# Altium PCB uStepper.PcbDoc (part 1 of 2) (continued)
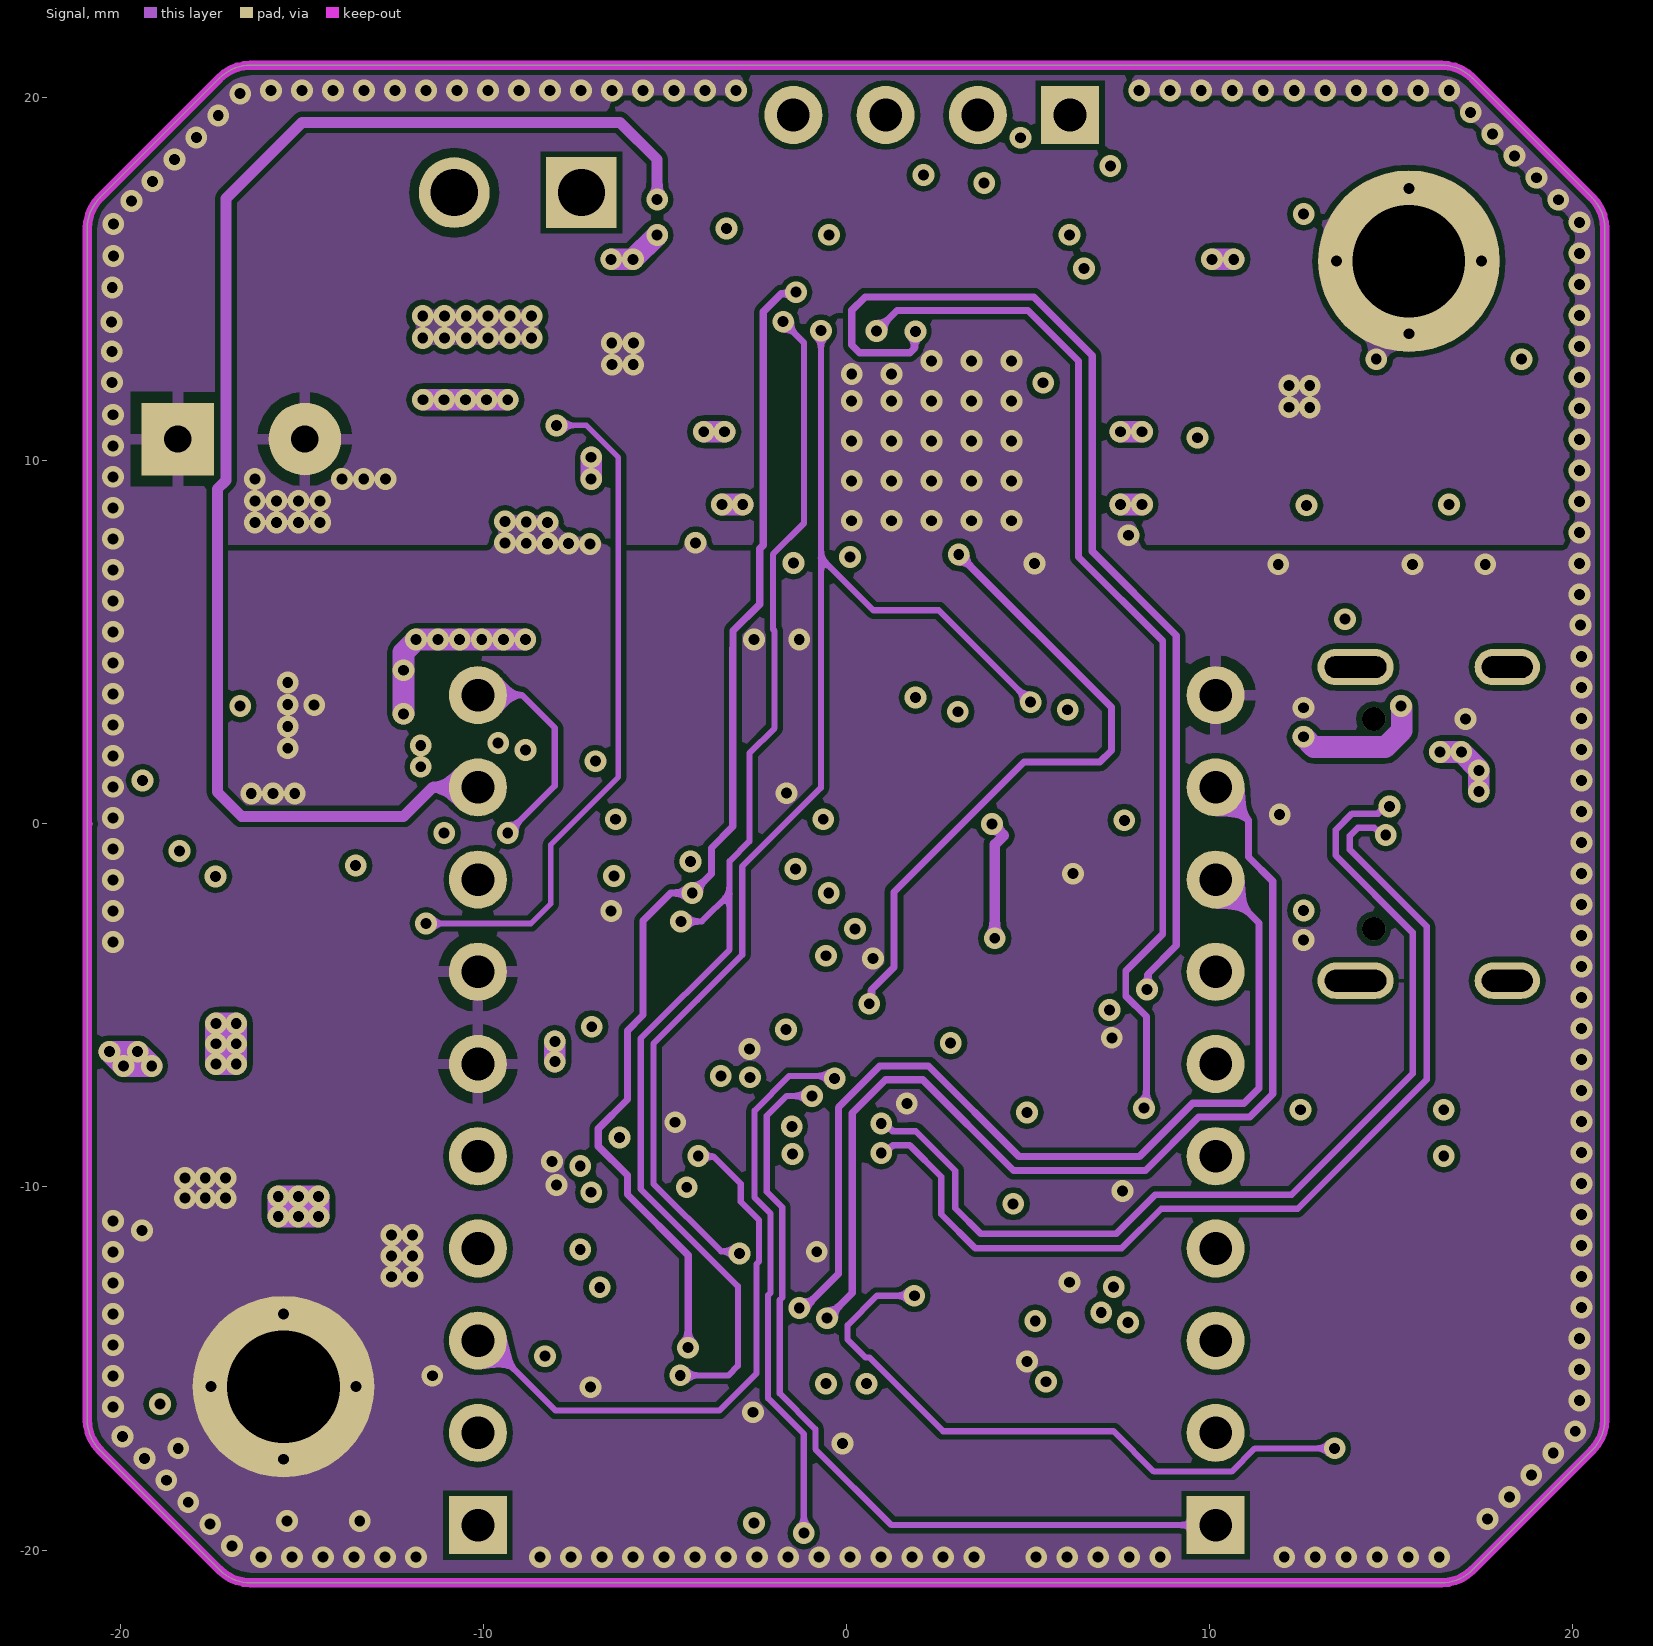
[diagram p4: Signal]
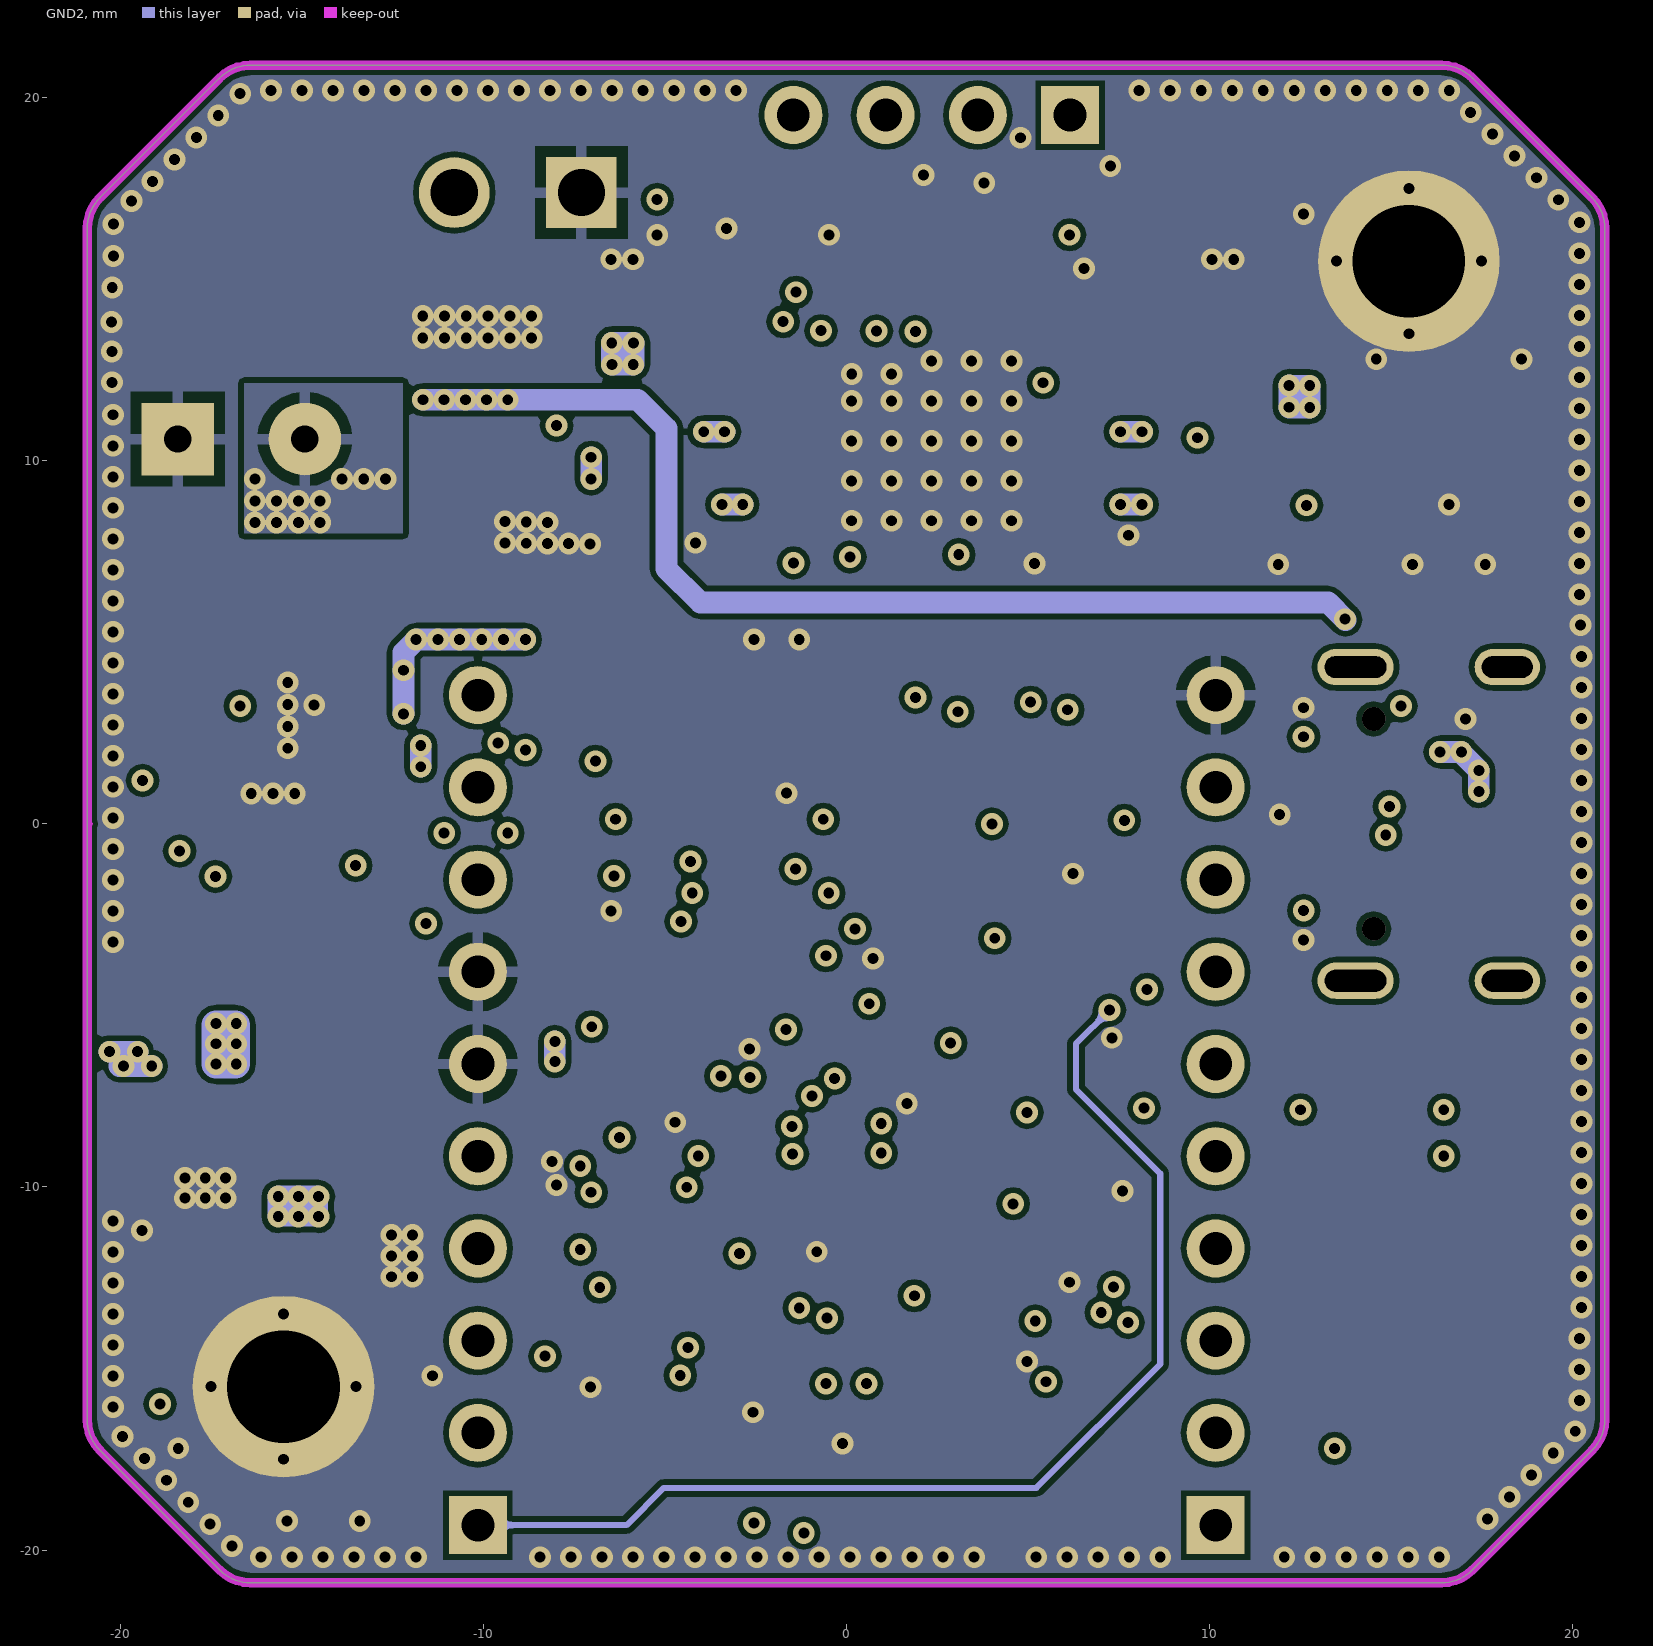
[diagram p5: GND2]

## Layer stack, top to bottom
Top Solder: solder mask 0.0102, Solder Resist, Dk 3.5
Top Layer: signal copper 0.035
Dielectric 1: prepreg 0.0994, 3113, Dk 4.05
GND: signal copper 0.018
Dielectric 2: core 0.55, FR-4 0.55mm, Dk 4.6
VCC: signal copper 0.018
Dielectric 3: prepreg 0.1088, 2116, Dk 4.25
Signal: signal copper 0.018
Dielectric 5: core 0.55, FR-4 0.55mm, Dk 4.6
GND2: signal copper 0.018
Dielectric 4: prepreg 0.0994, 3113, Dk 4.05
Bottom Layer: signal copper 0.035
Bottom Solder: solder mask 0.0102, Solder Resist, Dk 3.5

## Board outline
-20.558,-17.251 -17.255,-20.554 ccw(c-16.407,-19.696) -16.412,-20.903 16.399,-20.903 ccw(c16.393,-19.696) 17.242,-20.554 20.545,-17.251 ccw(c19.686,-16.403) 20.893,-16.403 20.893,16.397 ccw(c19.686,16.397) 20.54,17.251 17.247,20.544 ccw(c16.393,19.69) 16.393,20.897 -16.407,20.897 ccw(c-16.407,19.69) -17.26,20.544 -20.553,17.251 ccw(c-19.7,16.397) -20.907,16.397 -20.907,-16.403 ccw(c-19.7,-16.403)

## Design rules (kind name [scope] priority, off if disabled: settings)
AssemblyTestPointUsage SilkToBoardRegionClearance_1 [All] p2:
BoardOutlineClearance [All] p1: gap=0.25 ignorepadtopadclearanceinfootprint=FALSE
Clearance Clearance_Inner [(OnLayer('Top Layer') OR OnLayer('Bottom Layer'))] p1: gap=0.15 ignorepadtopadclearanceinfootprint=FALSE
Clearance [All] p2: gap=0.15 ignorepadtopadclearanceinfootprint=FALSE
ComponentClearance [All] p1: gap=-100 collisioncheckmode=3 verticalgap=0.254 showdistances=FALSE
DiffPairsRouting [All] p1: maxlimit=0.22 minlimit=0.153 mostfreqgap=0.21 toplayer_minwidth=0.153 toplayer_maxwidth=0.18 toplayer_prefwidth=0.16 midlayer1_minwidth=0.153 midlayer1_maxwidth=0.18 midlayer1_prefwidth=0.16 midlayer2_minwidth=0.153 midlayer2_maxwidth=0.18 midlayer2_prefwidth=0.16 midlayer3_minwidth=0.153 midlayer3_maxwidth=0.18 midlayer3_prefwidth=0.16 midlayer4_minwidth=0.153 midlayer4_maxwidth=0.18 midlayer4_prefwidth=0.16 bottomlayer_minwidth=0.153 bottomlayer_maxwidth=0.18 bottomlayer_prefwidth=0.16 maxuncoupledlength=12.7
HoleSize [All] p1: absolutevalues=TRUE maxlimit=6.35 minlimit=0.2 maxpercent=80.000 minpercent=20.000
MatchedLengths DiffPair_DIFF100MatchedLengths [InDifferentialPairClass('DIFF100')] p1: tolerance=0.152 checknetsindiffpair=TRUE checkdiffpairvsdiffpair=FALSE checkxsignals=FALSE checkothers=FALSE
MinimumAnnularRing MinimumAnnularRing_1 [All] p1: minimumring=0.125
MinimumSolderMaskSliver "SMT min Solder Mask Width" [All] p1 off: minsoldermaskwidth=0.13
PlaneClearance [All] p1: clearance=0.152
PlaneConnect C38Plane [InComponent('C38') AND ( InNet('GND') OR InNet('VIN'))] p1: planeconnectstyle=Relief reliefexpansion=0.5 reliefentries=4 reliefconductorwidth=0.3 reliefairgap=0.3
PlaneConnect "PL3 VIN PLANE" [InComponent('PL3') AND InNet('VIN')] p2: planeconnectstyle=NoConnect reliefexpansion=0.508 reliefentries=4 reliefconductorwidth=0.254 reliefairgap=0.254
PlaneConnect "PL3 GND PLANE" [(InComponent('PL3') OR InComponent('C25')) AND InNet('GND')] p3: planeconnectstyle=Relief reliefexpansion=0.508 reliefentries=4 reliefconductorwidth=0.3 reliefairgap=0.3
PlaneConnect Via [isVia] p4: planeconnectstyle=Direct reliefexpansion=0.508 reliefentries=4 reliefconductorwidth=0.254 reliefairgap=0.254
PlaneConnect [(InComponentClass('All Components'))] p5: planeconnectstyle=Relief reliefexpansion=0.508 reliefentries=4 reliefconductorwidth=0.3 reliefairgap=0.3
PlaneConnect "Corner pads" [All] p6: planeconnectstyle=Direct reliefexpansion=0.508 reliefentries=4 reliefconductorwidth=0.254 reliefairgap=0.254
PolygonConnect Direct_connect [((IsPad And InAnyComponent and not OnMultiLayer) OR InComponent('D1') OR InComponent('X1') OR InComponent('C14')OR InComponent('C13')OR InComponent('C17')OR InComponent('C18')OR InComponent('Y1') OR  InComponent('PL2') AND InNet('3V3'))] p1: connectstyle=Direct reliefconductorwidth=0.254 reliefentries=4 polygonreliefangle="90 Angle" airgapwidth=0.254
PolygonConnect C38 [InComponent('C38') AND ( InNet('GND') OR InNet('VIN') )] p2: connectstyle=Relief reliefconductorwidth=0.3 reliefentries=4 polygonreliefangle="90 Angle" airgapwidth=0.3
PolygonConnect "PL3 VIN" [InComponent('PL3') AND InNet('VIN') vs IsPolygon and OnTopLayer] p3: connectstyle=Relief reliefconductorwidth=0.5 reliefentries=4 polygonreliefangle="90 Angle" airgapwidth=0.3
PolygonConnect "PL3 VIN_1" [InComponent('PL3') AND InNet('VIN')] p4: connectstyle=NoConnect reliefconductorwidth=0.254 reliefentries=4 polygonreliefangle="90 Angle" airgapwidth=0.254
PolygonConnect "PL3 GND" [(InComponent('PL3') OR InComponent('R24') OR InComponent('R34')) AND InNet('GND')] p5: connectstyle=Relief reliefconductorwidth=0.3 reliefentries=4 polygonreliefangle="90 Angle" airgapwidth=0.3
PolygonConnect PL1PL2 [(InComponent('PL1') OR InComponent('PL2')) AND ( InNet('GND') OR InNet('VIN'))] p6: connectstyle=Relief reliefconductorwidth=0.3 reliefentries=4 polygonreliefangle="90 Angle" airgapwidth=0.3
PolygonConnect PolygonConnect_VIN [InNet('VIN') OR InNet('CB1') OR InNet('CB2') OR InNet('CA1') OR InNet('CA2')] p7: connectstyle=Direct reliefconductorwidth=1.75 reliefentries=4 polygonreliefangle="90 Angle" airgapwidth=0.35
PolygonConnect PolygonConnect_IC [(InComponent('U1') OR InComponent('U2') OR InComponent('U3') OR InComponent('U5'))] p8: connectstyle=Direct reliefconductorwidth=0.5 reliefentries=4 polygonreliefangle="90 Angle" airgapwidth=0.254
PolygonConnect PolygonConnect_Via [IsVia] p9: connectstyle=Direct reliefconductorwidth=0.254 reliefentries=4 polygonreliefangle="90 Angle" airgapwidth=0.254
PolygonConnect [(InComponentClass('All Components'))] p10: connectstyle=Relief reliefconductorwidth=0.3 reliefentries=4 polygonreliefangle="90 Angle" airgapwidth=0.3
PolygonConnect "GND corner pads" [All] p11: connectstyle=Direct reliefconductorwidth=0.254 reliefentries=4 polygonreliefangle="90 Angle" airgapwidth=0.254
RoutingVias [All] p1: holewidth=0.3 width=0.6 viastyle="Through Hole" minholewidth=0.3 minwidth=0.4 maxholewidth=5 maxwidth=10
SilkToBoardRegionClearance SilkToBoardRegionClearance_1_1 [All] p1:
SilkToBoardRegionClearance [All] p2:
SilkToSilkClearance [All] p1 off: silktosilkclearance=0.254
SilkToSolderMaskClearance SilkToSolderMaskClearance_1_1 [IsPad] p1: minsilkscreentomaskgap=0.178 clearancetoexposedcopper=TRUE
SolderMaskExpansion [All] p1: expansion=0.102 istentingtop=FALSE
Width [All] p1: maxlimit=2.54 minlimit=0.152 preferedwidth=0.2
21 further rules are at their usual default settings.

## Classes and differential pairs
component class U_Power: C19 C20 C21 C22 C23 C24 C25 C26 C27 C28 C29 C30 C31 C32 C33 C34 C35 C36 C37 C54 C55 C56 D8 L2 R13 R14 R15 R17 R18 R19 R20 R21 R22 R23 R24 R38 U3 U4
component class U_Main: D1 PL1 PL2 PL3 PL4
component class U_encoder: C1 R1 R2 R3 R4 U1
component class U_MCU+IO: C2 C3 C4 C5 C6 C7 C8 C9 C10 C11 C12 C13 C14 C15 C16 C17 C18 C53 C57 C58 D2 D3 D4 D5 D6 D7 F1 J1 L1 LD1 PL5 R5 R6 R7 R8 R9 R10 R11 R12 R16 R33 R34 R35 R36 R37 SW1 SW2 TP1 TP2 TP3 TP4 TP5 U2 U6 X1 Y1
component class U_Stepper_control: C38 C39 C40 C41 C42 C43 C44 C45 C46 C47 C48 C49 C50 C51 C52 D9 D10 D11 D12 L3 LD4 PL7 R25 R26 R27 R28 R29 R30 R31 R32 U5
differential pair D: +D_P -D_N
differential pair USB: +USB_P -USB_N

## Components (designator, comment, footprint, x,y, rotation, side; value= is the part's Value field where it differs from the comment)
C1 "100 nF 50 V" CAP_0402 -4.293,0 r90 bottom value=100nF
C2 "4.7uF 0603 35V" CAP_0603 -7.264,-7.518 r90 bottom
C3 "100 nF 50 V" CAP_0402 1.312,-3.456 r90 bottom value=100nF
C4 "100 nF 50 V" CAP_0402 -0.94,-16.053 r0 bottom value=100nF
C5 "100 nF 50 V" CAP_0402 0.502,-16.495 r90 bottom value=100nF
C6 "100 nF 50 V" CAP_0402 -5.664,-7.823 r180 bottom value=100nF
C7 "100 nF 50 V" CAP_0402 4.386,-7.412 r0 bottom value=100nF
C8 "100 nF 50 V" CAP_0402 -4.382,-15.981 r0 top value=100nF
C9 "1uF 0402 10V" CAP_0402 2.854,-11.045 r90 bottom value="1 uF"
C10 "100 nF 50 V" CAP_0402 4.019,-11.045 r90 bottom value=100nF
C11 "100 nF 50 V" CAP_0402 3.734,-13.614 r270 bottom value=100nF
C12 "4.7uF 0603 35V" CAP_0603 4.293,-2.007 r135 top
C13 "6.8pF 0402 25V" CAP_0402 7.849,-15.342 r135 top value=6.8pF
C14 "6.8pF 0402 25V" CAP_0402 4.82,-18.954 r315 top value=6.8pF
C15 "1uF 0402 10V" CAP_0402 0.435,-11.045 r90 bottom value="1 uF"
C16 "22nF 0402 16V 5%" CAP_0402 1.682,-11.045 r90 bottom value=22nF
C17 "4pF 0402" CAP_0402 1.168,-18.009 r45 top value=4pF
C18 "4pF 0402" CAP_0402 1.93,-18.745 r45 top value=4pF
C19 "100 nF 50 V" CAP_0402 -19.101,2.438 r90 bottom value=100nF
C20 "10uF 1206 50V" CAP_1206 -13.662,6.95 r0 bottom value=10uF
C21 "10uF 1206 50V" CAP_1206 -17.881,6.95 r180 bottom value=10uF
C22 "100 nF 50 V" CAP_0402 -15.843,5.5 r180 bottom value=100nF
C23 "1uF 0402 10V" CAP_0402 -17.374,-2.156 r90 bottom value="1 uF"
C24 "220pF 0402 50V" CAP_0402 -14.532,-3.759 r0 bottom value=220pF
C25 "100 nF 50 V" CAP_0402 -19.152,-0.94 r90 bottom value=100nF
C26 "4.7uF 0603 35V" CAP_0603 -12.929,1.016 r90 top
C27 "33nF 0402 50V" CAP_0402 -12.493,-0.975 r90 bottom value=33nF
C28 "100 nF 50 V" CAP_0402 -8.052,12.192 r270 top value=100nF
C29 "10uF 0603 16V" CAP_0603 -11.426,11.89 r270 top value=10uF
C30 "10uF 0603 16V" CAP_0603 -9.039,11.89 r270 top value=10uF
C31 "10uF 0603 16V" CAP_0603 -10.233,11.89 r270 top value=10uF
C32 "270pF 0402 50V" CAP_0402 -13.513,8.052 r90 top value=270pF
C33 "100 nF 50 V" CAP_0402 -12.04,-3.912 r90 top value=100nF
C34 "1.3nF 0402 50V" CAP_0402 -13.487,3.517 r90 top value=1.3nF
C35 "100 nF 50 V" CAP_0402 -18.745,-4.928 r270 top value=100nF
C36 "1uF 0402 10V" CAP_0402 -19.684,-4.889 r270 top value="1 uF"
C37 "4.7uF 0603 35V" CAP_0603 -13.03,-10.541 r180 bottom
C38 "180uF 50V" "Capacitor 8x22" -16.662,10.6 r180 top locked value=180uF
C39 "100 nF 50 V" CAP_0402 7.975,12.25 r270 bottom value=100nF
C40 "100 nF 50 V" CAP_0402 9.025,12.25 r90 bottom value=100nF
C41 "100 nF 50 V" CAP_0402 -3.125,12.25 r90 bottom value=100nF
C42 "10uF 1206 50V" CAP_1206 10.675,13.175 r90 bottom value=10uF
C43 "10uF 1206 50V" CAP_1206 -5.875,13.175 r90 bottom value=10uF
C44 "100 nF 50 V" CAP_0402 -0.325,4.9 r180 bottom value=100nF
C45 "22nF 0402 16V 5%" CAP_0402 6.515,14.35 r0 bottom value=22nF
C46 "100 nF 50 V" CAP_0402 5.925,13.325 r0 top value=100nF
C47 "1uF 0402 10V" CAP_0402 5.925,14.375 r180 top value="1 uF"
C48 "10uF 0402 6V3" CAP_0402 3.3,16.7 r270 bottom value=10uF
C49 "1uF 0402 10V" CAP_0402 4.35,16.7 r270 bottom value="1 uF"
C50 "100 nF 50 V" CAP_0402 2.1,16.7 r90 bottom value=100nF
C51 "100 nF 50 V" CAP_0402 -4.225,9.35 r270 bottom value=100nF
C52 "100 nF 50 V" CAP_0402 8.925,9.35 r270 bottom value=100nF
C53 "22nF 0402 16V 5%" CAP_0402 18.6,-0.838 r180 bottom value=22nF
C54 "10uF 0603 16V" CAP_0603 -9.039,11.89 r270 bottom value=10uF
C55 "10uF 0603 16V" CAP_0603 -10.233,11.89 r270 bottom value=10uF
C56 "10uF 0603 16V" CAP_0603 -11.426,11.89 r270 bottom value=10uF
C57 "1uF 0402 10V" CAP_0402 6.443,-16.471 r180 bottom value="1 uF"
C58 "1.3nF 0402 50V" CAP_0402 6.443,-15.29 r180 bottom value=1.3nF
D1 "SMAJ51A" DIOM4227X23N -14.986,17.069 r90 top
D2 "GREEN LED" "0402 LED" 18.64,-15.159 r0 top
D3 "V2P6-M3/H" MicroSMP 16.609,0.114 r270 bottom
D4 "TVS" RES_0402 13.208,0.711 r270 bottom
D5 "TVS" RES_0402 13.208,-0.965 r90 bottom
D6 "TVS" RES_0402 16.053,2.894 r180 bottom
D7 "TVS" RES_0402 18.593,-1.676 r180 bottom
D8 "GREEN LED" "0402 LED" -19.431,-15.521 r90 top
D9 "V2P6-M3/H" MicroSMP 10.55,8.8 r0 top
D10 "V2P6-M3/H" MicroSMP 8.85,11.65 r0 top
D11 "V2P6-M3/H" MicroSMP -5.825,8.8 r180 top
D12 "V2P6-M3/H" MicroSMP -5.825,10.775 r180 top
F1 "PTC 500mA Hold" "PTC Fuse 1206" 14.707,0.125 r90 bottom
J1 "USB4105-GF-A" FP-USB4105-GF-A-MFG 17.043,0 r90 top locked
L1 "180 Ohms @ 100MHz" IND_0603 -1.646,-10.511 r0 bottom value="180 Ohm"
L2 "10uH 2A" FP-NR5040-H_4_1-MFG -10.1,7.925 r90 top value="10 uH"
L3 "180 Ohms @ 100MHz" IND_0603 3.525,14.375 r0 top value="180 Ohm"
PL1 "2.54mm" "10-pin female 2.54mm" 10.175,-7.884 r90 top locked
PL2 "2.54mm" "10-pin female 2.54mm" -10.145,-7.884 r90 top locked
PL3 "EBWA-02-A" 691214110002 -9.046,17.088 r180 top locked
PL4 "EXPANSION" 20021121-00020T4LF-Footprint-1 0.003,3 r0 top
PL5 "JTAG" FP-62101021021-MFG 15.951,-10.414 r270 top locked
PL7 "2.54mm" "4-pin 2.54mm header" 2.355,19.525 r180 top
R1 "100R 0402" RES_0402 5.048,0.635 r180 bottom value=100R
R2 "0R 0402" RES_0402 -7.645,-13.386 r315 top value=0R
R3 "560R 0402" RES_0402 4.597,-1.907 r90 bottom value=560R
R4 "100R 0402" RES_0402 5.048,-0.635 r180 bottom value=100R
R5 "10k 0402" RES_0402 -7.303,-15.981 r180 top value=10k
R6 "47k 0402" RES_0402 18.64,-15.991 r0 top value=47k
R7 "4k7 0402" RES_0402 -0.076,-1.219 r0 top value=4k7
R8 "4k7 0402" RES_0402 8.255,0.711 r270 top value=4k7
R9 "4k7 0402" RES_0402 8.255,-1.245 r90 top value=4k7
R10 "10k 0402" RES_0402 5.512,-1.575 r135 top value=10k
R11 "4k7 0402" RES_0402 5.498,-1.905 r270 bottom value=4k7
R12 "10R 0402" RES_0402 -3.932,-10.511 r0 bottom value=10R
R13 "3R3 0402" RES_0402 -19.101,4.089 r90 bottom value=3R3
R14 "340k 0402" RES_0402 -12.898,-3.759 r180 bottom value=340k
R15 "28k 0402" RES_0402 -15.85,-2.159 r270 bottom value=28K
R16 "10k 0402" RES_0402 -0.693,-14.498 r180 bottom value=10k
R17 "562k 0402" RES_0402 -19.406,2.362 r90 top value=562k
R18 "200k 0402" RES_0402 -19.431,-0.686 r90 top value=200k
R19 "18k7 0603 1%" RES_0603 -13.335,5.74 r90 top value=18k7
R20 "52k3 0603" RES_0603 -12.954,-2.743 r0 bottom value=52.6k
R21 "274k 0402" RES_0402 -16.586,-2.159 r90 bottom value=274k
R22 "301k 0402" RES_0402 -18.161,-2.159 r90 bottom value=301kOhm
R23 "10k 0402" RES_0402 -14.681,-2.007 r90 bottom value=10k
R24 "100k 0402" RES_0402 -19.431,-13.753 r270 top value=100k
R25 "10R 0402" RES_0402 3.525,15.575 r0 top value=10R
R26 "10R 0402" RES_0402 5.35,16.7 r90 bottom value=10R
R27 "CSR1206FTR100" RES_1206 10.675,8.625 r90 bottom value=0R1
R28 "CSR1206FTR100" RES_1206 -5.875,8.625 r90 bottom value=0R1
R29 "47k 0402" RES_0402 0.65,16.225 r180 bottom value=47k
R30 "22k 0402" RES_0402 0.65,17.175 r180 bottom value=22k
R31 "10k 0402" RES_0402 -1.2,17.175 r0 bottom value=10k
R32 "0R 0402" RES_0402 8.25,-5.634 r90 top value=0R
R33 "4k7 0402" RES_0402 11.938,-0.755 r270 top value=4k7
R34 "4k7 0402" RES_0402 11.938,1.245 r90 top value=4k7
R35 "1MOhm 0402 5%" RES_0402 18.6,0 r180 bottom value=1Mega
R36 "0R 0402" RES_0402 0,-9.05 r0 bottom value=0R
R37 "0R 0402" RES_0402 0,-8.296 r0 bottom value=0R
R38 "0R 0402" RES_0402 -19.431,-2.389 r90 top value=0R
SW1 "TS20-42-25-WT-160-SMT-TR" TS20-42-25-WT-160-SMT-TR-Footprint-1 -5.486,-18.288 r180 top
SW2 "TS20-42-25-WT-160-SMT-TR" TS20-42-25-WT-160-SMT-TR-Footprint-1 14.707,-18.338 r0 top
TP1 "TestPoint" 1x0mm#1 12.227,1.245 r90 bottom
TP2 "TestPoint" 1x0mm#1 12.2,-1.396 r90 bottom
TP3 "TestPoint" 1x0mm#2 15.463,-7.544 r90 bottom
TP4 "TestPoint" 1x0mm#1 15.276,-9.535 r90 bottom
TP5 "TestPoint" 1x0mm#1 12.571,-6.491 r90 bottom
U1 "TLE5012BE1000XUMA1" INF-PG-DSO-8-16_M 0,0 r180 bottom locked
U2 "STM32F401RCT6" STM-LQFP64_M 0,-9 r135 top locked
U3 "SIC462ED-T1-GE3" FP-T18-0594-MFG -15.493,2.027 r0 bottom locked
U4 "AP7361C-33ER-13" SOT230P700X180-4N -16.408,-7.722 r0 bottom locked
U5 "TMC5130A-TA-T" TSQFP50P900X900X120_HS-49N 2.35,10.55 r90 bottom locked
U6 "Supervisor" SOT95P282X125-3N 3.277,-16.129 r0 bottom
X1 "ABM8W-20.0000MHZ-7-D1X-T3" "3.2x2.5mm 4pin xtal" 6.604,-17.45 r225 top
Y1 "ABS05W-32.768KHZ-D-2-T" FP-ABS05W-MFG 2.726,-17.23 r315 top

## Footprints (in the part's own frame and the unit in brackets; to place one, negate y for a bottom-side part, rotate by r counter-clockwise, add the part's x,y. Pads: shape width x height; smd on the part's side, far side on the other; paste and mask are expansions set on the pad)
1x0mm#1 [mm] "Testpoint with 1mm pad and no hole"
  round 1 smd paste-1: 1(0,0)
1x0mm#2 [mm] "Testpoint with 1mm pad and no hole"
  round 1 smd paste-1: 1(0,-0.187)
"3.2x2.5mm 4pin xtal" [mm]
  rect 1.4x1.2 smd: 1(-1.1,-0.8) 2(1.1,-0.8) 3(1.1,0.8) 4(-1.1,0.8)
  silkscreen extent -0.2,-1.4 0.2,1.4, body extent -1.6,-1.25 1.6,1.25, height 0.6
"4-pin 2.54mm header" [mm]
  rect 1.6x1.6 hole 0.9: 1(-3.81,0)
  round 1.6 hole 0.9: 2(-1.27,0) 3(1.27,0) 4(3.81,0)
  silkscreen extent -5.08,-1.27 5.08,1.27, body extent -5.08,-1.27 5.08,1.27, height 9.5
"10-pin female 2.54mm" [mm]
  rect 1.6x1.6 hole 0.9: 1(-11.43,0)
  round 1.6 hole 0.9: 2(-8.89,0) 3(-6.35,0) 4(-3.81,0) 5(-1.27,0) 6(1.27,0) 7(3.81,0) 8(6.35,0) 9(8.89,0) 10(11.43,0)
  silkscreen extent -12.87,-1.24 12.85,1.27, body extent -12.97,-1.22 12.94,1.26, height 8.61
"0402 LED" [mm]
  rect 0.62x0.62 smd: 1(-0.46,0) 2(0.46,0)
  body extent -0.5,-0.25 0.5,0.25, height 0.16
20021121-00020T4LF-Footprint-1 [mm]
  rect 0.75x2.4 smd paste+0 mask+0: 1(-5.715,-1.95) 2(-5.715,1.95) 3(-4.445,-1.95) 4(-4.445,1.95) 5(-3.175,-1.95) 6(-3.175,1.95) 7(-1.905,-1.95) 8(-1.905,1.95) 9(-0.635,-1.95) 10(-0.635,1.95) 11(0.635,-1.95) 12(0.635,1.95) 13(1.905,-1.95) 14(1.905,1.95) 15(3.175,-1.95) 16(3.175,1.95) 17(4.445,-1.95) 18(4.445,1.95) 19(5.715,-1.95) 20(5.715,1.95)
  silkscreen extent -6.5,-3.82 6.5,1.78, body extent -6.6,-3.25 6.6,3.25, height 0.25
691214110002 [mm] "3.50 mm Horizontal Entry Modular, 2p"
  rect 1.95x1.95 hole 1.3: 1(-1.75,-0.3)
  round 1.95 hole 1.3: 2(1.75,-0.3)
  silkscreen extent -3.9,-3.7 3.5,3.7, body extent -3.95,-3.7 3.5,3.7, height 8.55
CAP_0402 [mm] "Chip Capacitor, 2-Leads, 0402, IPC Medium Density"
  rect 0.62x0.62 smd: 1(-0.46,0) 2(0.46,0)
  body extent -0.53,-0.28 0.53,0.28, height 0.4
CAP_0603 [mm] "Chip Capacitor, 2-Leads, 0603, IPC Medium Density"
  rect 1x1 smd: 1(-0.775,0) 2(0.775,0)
  body extent -0.87,-0.48 0.87,0.48, height 0.55
CAP_1206 [mm] "Chip Capacitor, 2-Leads, 1206, IPC Medium Density"
  rect 1.2x1.7 smd: 1(-1.4,0) 2(1.4,0)
  silkscreen extent -0.4,-0.75 0.4,0.75, body extent -1.63,-0.82 1.63,0.82, height 0.7
"Capacitor 8x22" [mm]
  round 2 hole 0.75: 1(-1.75,0)
  rect 2x2 hole 0.75: 2(1.75,0)
  silkscreen extent -4.18,11.98 4.13,24.18, body extent -4,-0.3 4,24, height 8.1
DIOM4227X23N [mm] "Molded Diode, 2-Leads, Body 4.25x2.67mm, IPC Medium Density"
  rect 1.7x2.2 smd: 1(1.875,0) 3(-1.875,0)
  silkscreen extent -3.02,-1.4 2.25,1.45, body extent -2.25,-1.4 2.25,1.39, height 2.29
FP-62101021021-MFG [mm]
  rect 0.75x2.4 smd paste+0 mask+0: 1(-2.54,-1.95) 2(-2.54,1.95) 3(-1.27,-1.95) 4(-1.27,1.95) 5(0,-1.95) 6(0,1.95) 7(1.27,-1.95) 8(1.27,1.95) 9(2.54,-1.95) 10(2.54,1.95)
  silkscreen extent -3.32,-3.82 3.32,1.78, body extent -3.42,-3.25 3.42,3.25, height 0.25
FP-ABS05W-MFG [mm]
  rect 0.5x1 smd paste+0 mask+0: 1(-0.55,0) 2(0.55,0)
  silkscreen extent -0.8,-0.88 0.8,0.88, body extent -0.95,-0.65 0.95,0.65, height 0.25
FP-NR5040-H_4_1-MFG [mm]
  rect 1.5x4 smd paste+0 mask+0: 1(-1.8,0) 2(1.8,0)
  silkscreen extent -2.55,-2.55 2.55,2.55, body extent -2.65,-2.65 2.65,2.65, height 0.25
FP-T18-0594-MFG [mm]
  rect 0.95x0.35 smd paste+0 mask+0: 1(-2.525,1.7) 2(-2.525,1.05) 3(-2.525,0.4) 4(-2.525,-0.25) 5(-2.525,-1.25) 6(-2.525,-1.75) 15(2.525,-0.25) 16(2.525,0.25) 17(2.525,0.75) 18(2.525,1.25) 19(2.525,1.75)
  round 0.99 smd paste+0 mask+0: 7-8-29(-1.2,-1.223)